# Altium PCB WX0.000.863拼板.PcbDoc (part 5 of 15)
Units mm, origin at the board's own origin, x right, y up, seen from the top; angles counter-clockwise.
Board outline 150.37 x 286.89 mm, 2 copper layers (Top Layer, Bottom Layer); 840 components, 0 nets, 2516 pads, 1604 vias.
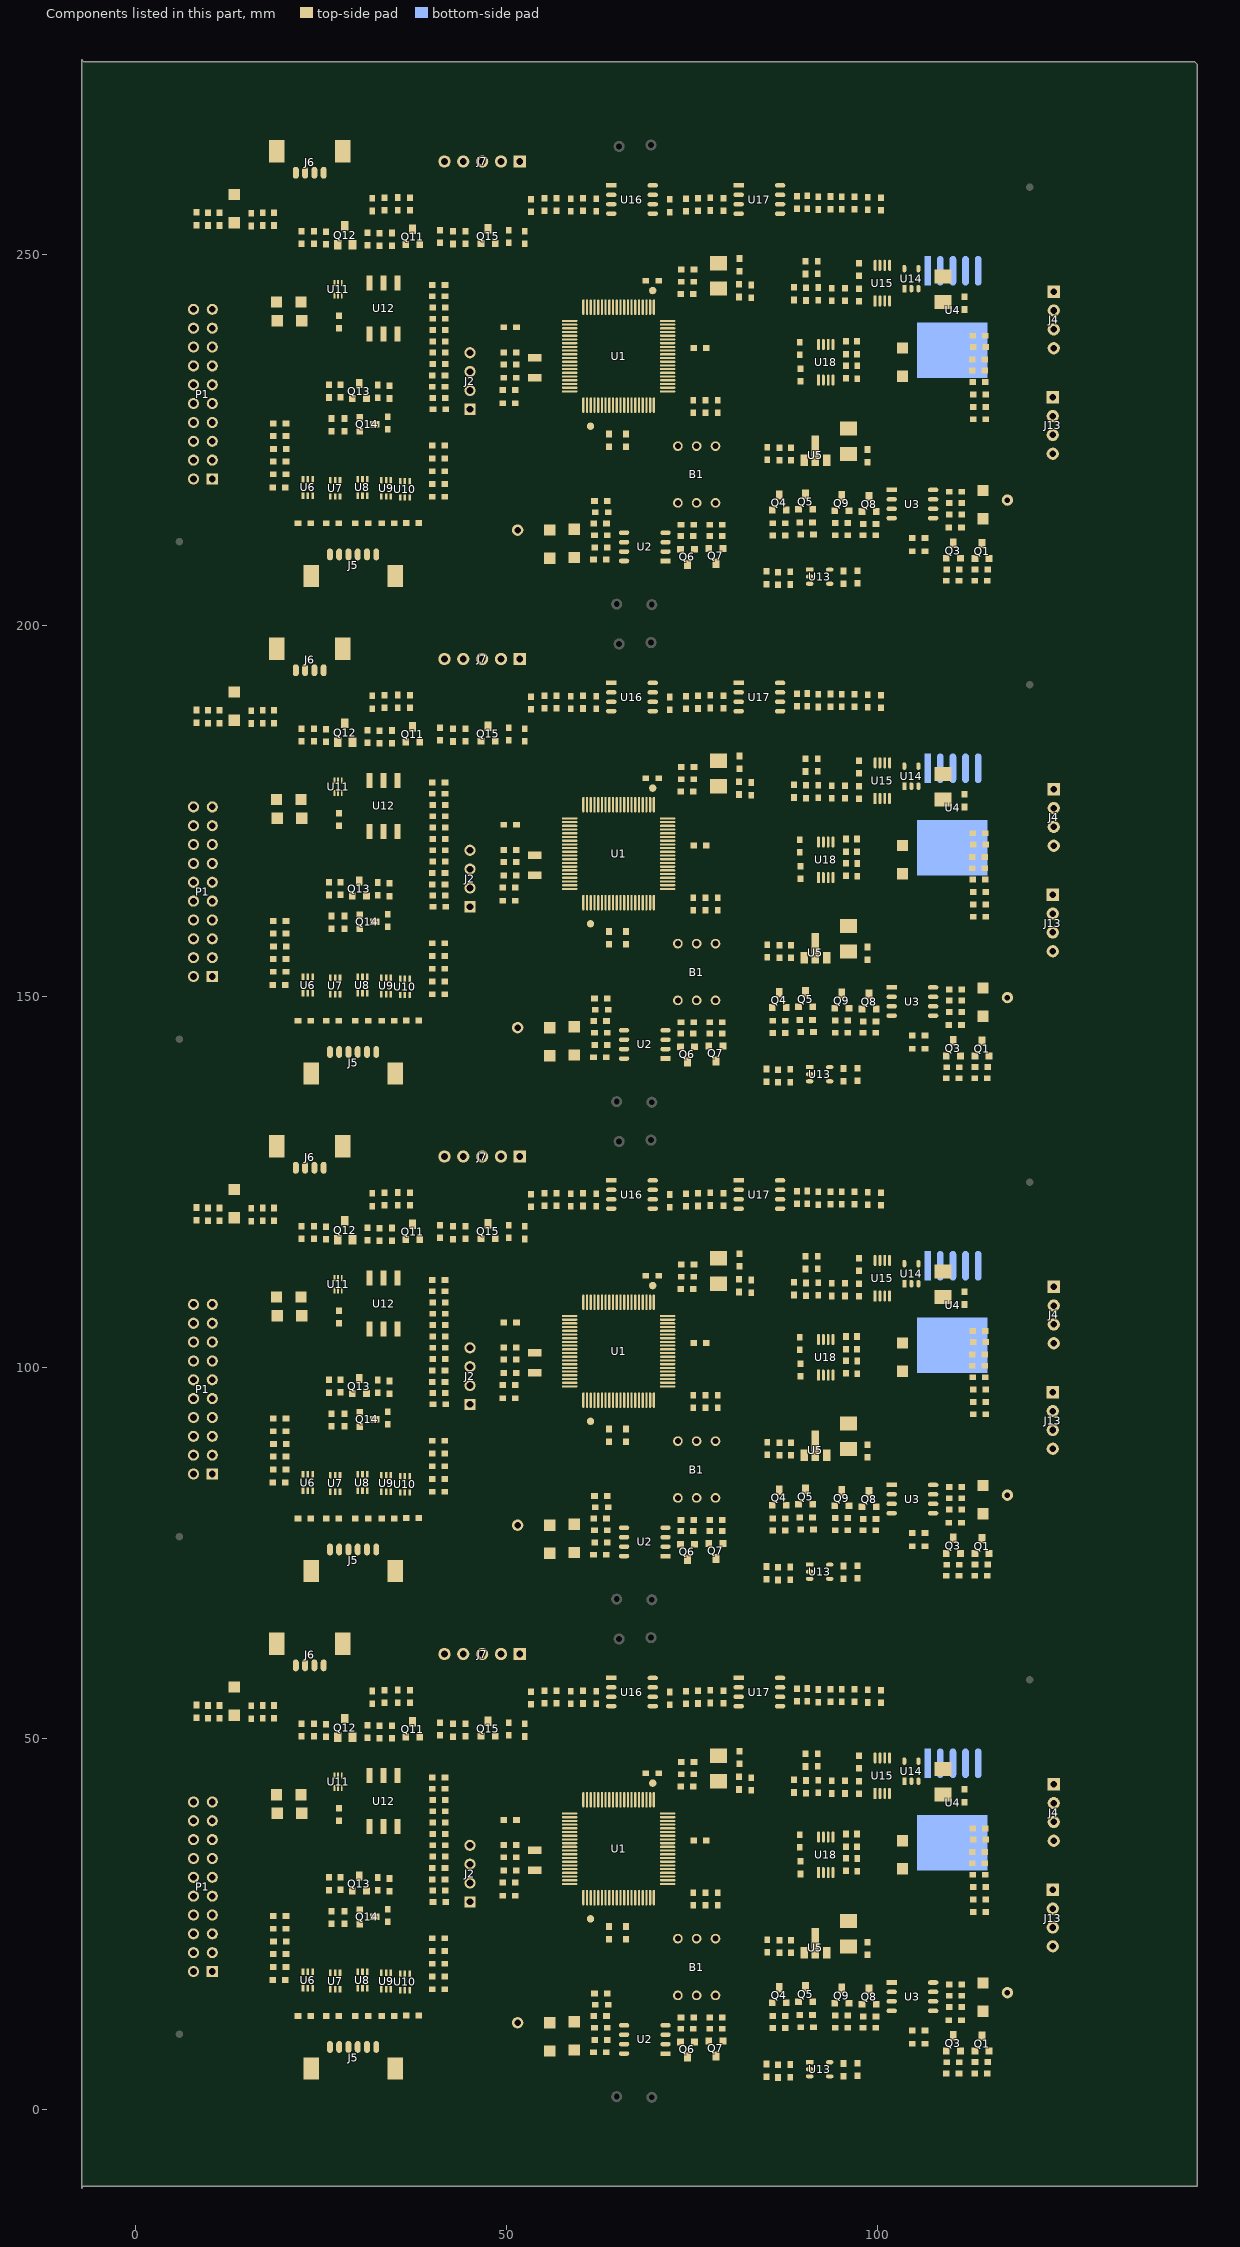
[diagram p5: the components of this part, seen from the top]

## Via types
v1: diameter 0.635, hole 0.381, Top Layer to Bottom Layer, tented both sides, 1604 vias

## Nets (pads, with @x,y where several pads share a name; then routed paths per layer and width w, separated by ;. In a path a pad name is that pad's centre, name@x,y a point inside that pad or via, vN(x,y) a via of type N, cw(c..) or ccw(c..) an arc to the next point about the centre after c; other vN are vias at no path point) (continued)
copper on no net: (continued)
  Top Layer w0.203: 42.009,107 cw(c42.508,106.501) 42.508,107.206 cw(c42.508,107.912) 42.009,107.413 ; 42.009,108.526 cw(c42.508,108.028) 42.508,108.733 cw(c42.508,109.438) 42.009,108.939 ; 42.009,163.785 ccw(c42.514,164.289) 42.514,163.576 ; 42.009,171.416 ccw(c42.235,171.642) 42.235,171.323 ; 42.009,172.53 cw(c42.508,172.031) 42.508,172.736 cw(c42.508,173.441) 42.009,172.943 ; 42.009,174.056 cw(c42.508,173.557) 42.508,174.262 cw(c42.508,174.968) 42.009,174.469 ; 42.009,175.582 cw(c42.508,175.084) 42.508,175.789 cw(c42.508,176.494) 42.009,175.995 ; 42.009,230.841 ccw(c42.514,231.345) 42.514,230.632 ; 42.009,238.472 ccw(c42.235,238.698) 42.235,238.379 ; 42.009,239.586 cw(c42.508,239.087) 42.508,239.792 cw(c42.508,240.497) 42.009,239.999 ; 42.009,241.112 cw(c42.508,240.613) 42.508,241.318 cw(c42.508,242.024) 42.009,241.525 ; 42.009,242.638 cw(c42.508,242.14) 42.508,242.845 cw(c42.508,243.55) 42.009,243.051 ; 42.02,36.903 cw(c42.711,36.283) 42.711,37.211 ; 42.02,103.959 cw(c42.711,103.339) 42.711,104.267 ; 42.02,171.015 cw(c42.711,170.395) 42.711,171.323 ; 42.02,238.071 cw(c42.711,237.451) 42.711,238.379 ; 42.095,34.045 cw(c43.533,34.045) 42.516,35.062 ; 42.095,35.572 cw(c42.895,35.572) 42.329,36.137 ; 42.095,101.101 cw(c43.533,101.101) 42.516,102.118 ; 42.095,102.628 cw(c42.895,102.628) 42.329,103.193 ; 42.095,168.157 cw(c43.533,168.157) 42.516,169.174 ; 42.095,169.684 cw(c42.895,169.684) 42.329,170.249 ; 42.095,235.213 cw(c43.533,235.213) 42.516,236.23 ; 42.095,236.74 cw(c42.895,236.74) 42.329,237.305 ; 42.29,50.852 cw(c41.704,50.267) 42.532,50.267 ; 42.29,117.908 cw(c41.704,117.323) 42.532,117.323 ; 42.29,184.964 cw(c41.704,184.379) 42.532,184.379 ; 42.29,252.02 cw(c41.704,251.435) 42.532,251.435 ; 42.412,50.729 ccw(c42.824,51.141) 42.824,50.559 ; 42.412,117.785 ccw(c42.824,118.197) 42.824,117.615 ; 42.412,184.841 ccw(c42.824,185.253) 42.824,184.671 ; 42.412,251.897 ccw(c42.824,252.309) 42.824,251.727 ; v1(42.901,22.327) 43.104,22.327 43.52,22.743 ; v1(42.901,89.383) 43.104,89.383 43.52,89.799 ; v1(42.901,156.439) 43.104,156.439 43.52,156.855 ; v1(42.901,223.495) 43.104,223.495 43.52,223.911 ; v1@42.902,22.339 ccw(c42.952,22.726) 43.228,22.45 ; v1@42.902,89.395 ccw(c42.952,89.782) 43.228,89.506 ; v1@42.902,156.451 ccw(c42.952,156.838) 43.228,156.562 ; v1@42.902,223.507 ccw(c42.952,223.894) 43.228,223.618 ; v1@42.928,22.541 ccw(c43.018,23.246) 43.52,22.743 ; v1@42.928,89.597 ccw(c43.018,90.302) 43.52,89.799 ; v1@42.928,156.653 ccw(c43.018,157.358) 43.52,156.855 ; v1@42.928,223.709 ccw(c43.018,224.414) 43.52,223.911 ; 43.031,50.06 cw(c43.499,49.592) 43.499,50.254 ; 43.031,50.473 ccw(c43.56,51.002) 43.56,50.254 ; 43.031,117.116 cw(c43.499,116.648) 43.499,117.31 ; 43.031,117.529 ccw(c43.56,118.058) 43.56,117.31 ; 43.031,184.172 cw(c43.499,183.704) 43.499,184.366 ; 43.031,184.585 ccw(c43.56,185.114) 43.56,184.366 ; 43.031,251.228 cw(c43.499,250.76) 43.499,251.422 ; 43.031,251.641 ccw(c43.56,252.17) 43.56,251.422 ; v1@43.04,30.328 ccw(c42.519,30.328) 42.888,30.696 ccw(c43.256,31.065) 43.256,30.543 ccw(c43.256,31.065) 43.625,30.696 ccw(c43.993,30.328) v1@43.472,30.328 ; v1@43.04,97.384 ccw(c42.519,97.384) 42.888,97.752 ccw(c43.256,98.121) 43.256,97.599 ccw(c43.256,98.121) 43.625,97.752 ccw(c43.993,97.384) v1@43.472,97.384 ; v1@43.04,164.44 ccw(c42.519,164.44) 42.888,164.808 ccw(c43.256,165.177) 43.256,164.655 ccw(c43.256,165.177) 43.625,164.808 ccw(c43.993,164.44) v1@43.472,164.44 ; v1@43.04,231.496 ccw(c42.519,231.496) 42.888,231.864 ccw(c43.256,232.233) 43.256,231.712 ccw(c43.256,232.233) 43.625,231.864 ccw(c43.993,231.496) v1@43.472,231.496 ; 44.269,50.048 ccw(c43.77,49.549) 43.77,50.254 ccw(c43.77,50.959) 44.269,50.461 ; 44.269,117.104 ccw(c43.77,116.605) 43.77,117.31 ccw(c43.77,118.015) 44.269,117.517 ; 44.269,184.16 ccw(c43.77,183.661) 43.77,184.366 ccw(c43.77,185.071) 44.269,184.573 ; 44.269,251.216 ccw(c43.77,250.717) 43.77,251.422 ccw(c43.77,252.127) 44.269,251.629 ; 44.438,30.44 cw(c43.173,30.36) 44.069,29.464 ; 44.438,97.496 cw(c43.173,97.416) 44.069,96.52 ; 44.438,164.552 cw(c43.173,164.472) 44.069,163.576 ; 44.438,231.608 cw(c43.173,231.528) 44.069,230.632 ; 44.535,40.014 cw(c45.006,39.543) v1@45.006,40.209 ; 44.535,107.07 cw(c45.006,106.599) v1@45.006,107.265 ; 44.535,174.126 cw(c45.006,173.655) v1@45.006,174.321 ; 44.535,241.182 cw(c45.006,240.711) v1@45.006,241.377 ; 44.557,23.144 46.101,23.144 ; 44.557,90.2 46.101,90.2 ; 44.557,157.256 46.101,157.256 ; 44.557,224.312 46.101,224.312 ; 44.641,30.452 cw(c43.772,30.398) 44.387,29.782 cw(c45.003,29.167) 45.057,30.036 ; 44.641,97.508 cw(c43.772,97.454) 44.387,96.838 cw(c45.003,96.223) 45.057,97.092 ; 44.641,164.564 cw(c43.772,164.51) 44.387,163.894 cw(c45.003,163.279) 45.057,164.148 ; 44.641,231.62 cw(c43.772,231.566) 44.387,230.95 cw(c45.003,230.335) 45.057,231.204 ; 44.68,40.159 ccw(c44.414,40.425) v1@44.79,40.425 ; 44.68,107.215 ccw(c44.414,107.481) v1@44.79,107.481 ; 44.68,174.271 ccw(c44.414,174.537) v1@44.79,174.537 ; 44.68,241.327 ccw(c44.414,241.593) v1@44.79,241.593 ; 44.682,50.048 cw(c45.181,49.549) 45.181,50.254 cw(c45.181,50.959) 44.682,50.461 ; 44.682,117.104 cw(c45.181,116.605) 45.181,117.31 cw(c45.181,118.015) 44.682,117.517 ; 44.682,184.16 cw(c45.181,183.661) 45.181,184.366 cw(c45.181,185.071) 44.682,184.573 ; 44.682,251.216 cw(c45.181,250.717) 45.181,251.422 cw(c45.181,252.127) 44.682,251.629 ; 45.045,29.833 ccw(c44.965,28.568) 44.069,29.464 ; 45.045,96.889 ccw(c44.965,95.624) 44.069,96.52 ; 45.045,163.945 ccw(c44.965,162.68) 44.069,163.576 ; 45.045,231.001 ccw(c44.965,229.736) 44.069,230.632 ; 45.239,19.609 ccw(c45.239,20.217) v1@45.669,19.787 ; 45.239,86.665 ccw(c45.239,87.273) v1@45.669,86.843 ; 45.239,153.721 ccw(c45.239,154.329) v1@45.669,153.899 ; 45.239,220.777 ccw(c45.239,221.385) v1@45.669,220.955 ; 45.362,19.609 cw(c45.362,19.174) v1@45.669,19.482 ; 45.362,86.665 cw(c45.362,86.23) v1@45.669,86.538 ; 45.362,153.721 cw(c45.362,153.286) v1@45.669,153.594 ; 45.362,220.777 cw(c45.362,220.342) v1@45.669,220.65 ; 45.695,50.254 ccw(c45.695,51.155) 46.332,50.518 ; 45.695,117.31 ccw(c45.695,118.211) 46.332,117.574 ; 45.695,184.366 ccw(c45.695,185.267) 46.332,184.63 ; 45.695,251.422 ccw(c45.695,252.323) 46.332,251.686 ; 45.755,50.254 cw(c45.755,49.438) 46.332,50.015 ; 45.755,117.31 cw(c45.755,116.494) 46.332,117.071 ; 45.755,184.366 cw(c45.755,183.55) 46.332,184.127 ; 45.755,251.422 cw(c45.755,250.606) 46.332,251.183 ; 46.01,22.743 46.863,22.743 ; 46.01,89.799 46.863,89.799 ; 46.01,156.855 46.863,156.855 ; 46.01,223.911 46.863,223.911 ; v1@46.202,37.262 ccw(c45.834,37.631) 46.355,37.631 ccw(c46.876,37.631) v1@46.508,37.262 ; v1@46.202,104.318 ccw(c45.834,104.687) 46.355,104.687 ccw(c46.876,104.687) v1@46.508,104.318 ; v1@46.202,171.374 ccw(c45.834,171.743) 46.355,171.743 ccw(c46.876,171.743) v1@46.508,171.374 ; v1@46.202,238.43 ccw(c45.834,238.799) 46.355,238.799 ccw(c46.876,238.799) v1@46.508,238.43 ; 46.228,35.56 47.727,37.059 ; 46.228,102.616 47.727,104.115 ; 46.228,169.672 47.727,171.171 ; 46.228,236.728 47.727,238.227 ; v1(46.355,37.109) 46.355,38.333 46.827,38.806 46.827,41.504 47.539,42.215 v1(54.813,42.215) 54.813,41.258 56.218,39.853 58.525,39.853 ; v1(46.355,104.165) 46.355,105.389 46.827,105.862 46.827,108.56 47.539,109.271 v1(54.813,109.271) 54.813,108.314 56.218,106.909 58.525,106.909 ; v1(46.355,171.221) 46.355,172.445 46.827,172.918 46.827,175.616 47.539,176.327 v1(54.813,176.327) 54.813,175.37 56.218,173.965 58.525,173.965 ; v1(46.355,238.277) 46.355,239.501 46.827,239.974 46.827,242.672 47.539,243.383 v1(54.813,243.383) 54.813,242.426 56.218,241.021 58.525,241.021 ; 46.37,22.342 46.914,22.342 ; 46.37,89.398 46.914,89.398 ; 46.37,156.454 46.914,156.454 ; 46.37,223.51 46.914,223.51 ; 46.795,21.941 47.6,21.941 ; 46.795,88.997 47.6,88.997 ; 46.795,156.053 47.6,156.053 ; 46.795,223.109 47.6,223.109 ; 46.961,21.539 48.158,21.539 ; 46.961,88.595 48.158,88.595 ; 46.961,155.651 48.158,155.651 ; 46.961,222.707 48.158,222.707 ; v1@46.99,38.075 ccw(c46.413,38.652) 47.229,38.652 ; v1@46.99,105.131 ccw(c46.413,105.708) 47.229,105.708 ; v1@46.99,172.187 ccw(c46.413,172.764) 47.229,172.764 ; v1@46.99,239.243 ccw(c46.413,239.82) 47.229,239.82 ; 47.046,21.057 48.285,21.057 ; 47.046,88.113 48.285,88.113 ; 47.046,155.169 48.285,155.169 ; 47.046,222.225 48.285,222.225 ; v1@47.219,37.846 v1(47.142,37.922) 47.229,38.009 47.229,39.091 47.915,39.776 50.571,39.776 51.359,38.989 51.532,39.162 53.335,39.162 54.817,40.644 ; v1@47.219,104.902 v1(47.142,104.978) 47.229,105.065 47.229,106.147 47.915,106.832 50.571,106.832 51.359,106.045 51.532,106.218 53.335,106.218 54.817,107.7 ; v1@47.219,171.958 v1(47.142,172.034) 47.229,172.121 47.229,173.203 47.915,173.888 50.571,173.888 51.359,173.101 51.532,173.274 53.335,173.274 54.817,174.756 ; v1@47.219,239.014 v1(47.142,239.09) 47.229,239.177 47.229,240.259 47.915,240.944 50.571,240.944 51.359,240.157 51.532,240.33 53.335,240.33 54.817,241.812 ; 47.229,38.235 ccw(c47.455,38.235) v1@47.295,38.075 ; 47.229,105.291 ccw(c47.455,105.291) v1@47.295,105.131 ; 47.229,172.347 ccw(c47.455,172.347) v1@47.295,172.187 ; 47.229,239.403 ccw(c47.455,239.403) v1@47.295,239.243 ; v1@47.371,41.021 ccw(c46.941,41.451) 47.549,41.451 ; v1@47.371,108.077 ccw(c46.941,108.507) 47.549,108.507 ; v1@47.371,175.133 ccw(c46.941,175.563) 47.549,175.563 ; v1@47.371,242.189 ccw(c46.941,242.619) 47.549,242.619 ; v1(47.523,40.869) 47.549,40.843 47.549,41.657 47.705,41.813 52.807,41.813 53.594,41.026 53.594,40.335 v1(53.619,40.335) ; 47.523,52.299 48.412,52.299 50.317,50.394 50.94,50.394 ; v1(47.523,107.925) 47.549,107.899 47.549,108.713 47.705,108.869 52.807,108.869 53.594,108.082 53.594,107.391 v1(53.619,107.391) ; 47.523,119.355 48.412,119.355 50.317,117.45 50.94,117.45 ; v1(47.523,174.981) 47.549,174.955 47.549,175.769 47.705,175.925 52.807,175.925 53.594,175.138 53.594,174.447 v1(53.619,174.447) ; 47.523,186.411 48.412,186.411 50.317,184.506 50.94,184.506 ; v1(47.523,242.037) 47.549,242.011 47.549,242.825 47.705,242.981 52.807,242.981 53.594,242.194 53.594,241.503 v1(53.619,241.503) ; 47.523,253.467 48.412,253.467 50.317,251.562 50.94,251.562 ; 47.549,41.329 ccw(c47.983,41.329) v1@47.676,41.021 ; 47.549,108.385 ccw(c47.983,108.385) v1@47.676,108.077 ; 47.549,175.441 ccw(c47.983,175.441) v1@47.676,175.133 ; 47.549,242.497 ccw(c47.983,242.497) v1@47.676,242.189 ; 47.775,52.047 cw(c48.382,51.44) 48.382,52.299 cw(c48.382,53.157) 47.775,52.55 ; 47.775,119.103 cw(c48.382,118.496) 48.382,119.355 cw(c48.382,120.213) 47.775,119.606 ; 47.775,186.159 cw(c48.382,185.552) 48.382,186.411 cw(c48.382,187.269) 47.775,186.662 ; 47.775,253.215 cw(c48.382,252.608) 48.382,253.467 cw(c48.382,254.325) 47.775,253.718 ; v1(48.311,38.049) 48.468,37.892 55.428,37.892 56.286,37.033 ; v1(48.311,105.105) 48.468,104.948 55.428,104.948 56.286,104.089 ; v1(48.311,172.161) 48.468,172.004 55.428,172.004 56.286,171.145 ; v1(48.311,239.217) 48.468,239.06 55.428,239.06 56.286,238.201 ; v1@48.32,38.058 ccw(c48.722,38.46) 48.722,37.892 ; v1@48.32,105.114 ccw(c48.722,105.516) 48.722,104.948 ; v1@48.32,172.17 ccw(c48.722,172.572) 48.722,172.004 ; v1@48.32,239.226 ccw(c48.722,239.628) 48.722,239.06 ; v1@48.463,38.202 ccw(c49.212,38.951) 49.212,37.892 ; v1@48.463,105.258 ccw(c49.212,106.007) 49.212,104.948 ; v1@48.463,172.314 ccw(c49.212,173.063) 49.212,172.004 ; v1@48.463,239.37 ccw(c49.212,240.119) 49.212,239.06 ; 49.631,35.611 51.282,33.96 51.321,33.96 52.243,34.882 53.822,34.882 ; 49.631,102.667 51.282,101.016 51.321,101.016 52.243,101.938 53.822,101.938 ; 49.631,169.723 51.282,168.072 51.321,168.072 52.243,168.994 53.822,168.994 ; 49.631,236.779 51.282,235.128 51.321,235.128 52.243,236.05 53.822,236.05 ; 49.657,38.989 50.353,38.293 56.246,38.293 v1(56.744,37.795) ; 49.657,106.045 50.353,105.349 56.246,105.349 v1(56.744,104.851) ; 49.657,173.101 50.353,172.405 56.246,172.405 v1(56.744,171.907) ; 49.657,240.157 50.353,239.461 56.246,239.461 v1(56.744,238.963) ; 49.682,35.319 cw(c49.682,34.736) 50.094,35.148 ; 49.682,102.375 cw(c49.682,101.792) 50.094,102.204 ; 49.682,169.431 cw(c49.682,168.848) 50.094,169.26 ; 49.682,236.487 cw(c49.682,235.904) 50.094,236.316 ; 49.708,38.697 cw(c49.708,38.114) 50.12,38.526 ; 49.708,105.753 cw(c49.708,105.17) 50.12,105.582 ; 49.708,172.809 cw(c49.708,172.226) 50.12,172.638 ; 49.708,239.865 cw(c49.708,239.282) 50.12,239.694 ; 49.732,50.979 ccw(c50.317,51.564) 50.317,50.736 ; 49.732,118.035 ccw(c50.317,118.62) 50.317,117.792 ; 49.732,185.091 ccw(c50.317,185.676) 50.317,184.849 ; 49.732,252.147 ccw(c50.317,252.732) 50.317,251.904 ; 49.855,50.856 cw(c49.443,50.444) 50.025,50.444 ; 49.855,117.912 cw(c49.443,117.5) 50.025,117.5 ; 49.855,184.968 cw(c49.443,184.556) 50.025,184.556 ; 49.855,252.024 cw(c49.443,251.612) 50.025,251.612 ; 49.974,35.611 ccw(c50.802,35.611) 50.217,35.025 ; 49.974,102.667 ccw(c50.802,102.667) 50.217,102.081 ; 49.974,169.723 ccw(c50.802,169.723) 50.217,169.137 ; 49.974,236.779 ccw(c50.802,236.779) 50.217,236.193 ; 50,38.989 ccw(c50.828,38.989) 50.242,38.404 ; 50,106.045 ccw(c50.828,106.045) 50.242,105.46 ; 50,173.101 ccw(c50.828,173.101) 50.242,172.516 ; 50,240.157 ccw(c50.828,240.157) 50.242,239.572 ; 50.542,50.207 cw(c50.94,49.876) 50.94,50.394 ; 50.542,50.58 ccw(c50.94,50.911) 50.94,50.394 ; 50.542,117.263 cw(c50.94,116.932) 50.94,117.45 ; 50.542,117.636 ccw(c50.94,117.967) 50.94,117.45 ; 50.542,184.319 cw(c50.94,183.988) 50.94,184.506 ; 50.542,184.692 ccw(c50.94,185.023) 50.94,184.506 ; 50.542,251.375 cw(c50.94,251.044) 50.94,251.562 ; 50.542,251.748 ccw(c50.94,252.079) 50.94,251.562 ; 50.762,34.48 cw(c50.242,33.96) 50.978,33.96 ; 50.762,101.536 cw(c50.242,101.016) 50.978,101.016 ; 50.762,168.592 cw(c50.242,168.072) 50.978,168.072 ; 50.762,235.648 cw(c50.242,235.128) 50.978,235.128 ; 50.773,39.574 cw(c50.188,38.989) 51.016,38.989 ; 50.773,106.63 cw(c50.188,106.045) 51.016,106.045 ; 50.773,173.686 cw(c50.188,173.101) 51.016,173.101 ; 50.773,240.742 cw(c50.188,240.157) 51.016,240.157 ; 50.792,34.45 ccw(c51.27,34.927) 51.27,34.252 ; 50.792,101.506 ccw(c51.27,101.983) 51.27,101.308 ; 50.792,168.562 ccw(c51.27,169.039) 51.27,168.364 ; 50.792,235.618 ccw(c51.27,236.095) 51.27,235.42 ; 50.896,39.452 ccw(c51.308,39.864) 51.308,39.281 ; 50.896,106.508 ccw(c51.308,106.92) 51.308,106.337 ; 50.896,173.564 ccw(c51.308,173.976) 51.308,173.393 ; 50.896,240.62 ccw(c51.308,241.032) 51.308,240.449 ; 51.303,35.692 cw(c52.028,34.967) 52.028,35.992 ; 51.303,102.748 cw(c52.028,102.023) 52.028,103.048 ; 51.303,169.804 cw(c52.028,169.079) 52.028,170.104 ; 51.303,236.86 cw(c52.028,236.135) 52.028,237.16 ; 51.321,32.182 53.822,32.182 55.041,32.182 ; 51.321,99.238 53.822,99.238 55.041,99.238 ; 51.321,166.294 53.822,166.294 55.041,166.294 ; 51.321,233.35 53.822,233.35 55.041,233.35 ; 51.371,34.252 ccw(c51.371,34.834) 51.783,34.423 ; 51.371,101.308 ccw(c51.371,101.89) 51.783,101.479 ; 51.371,168.364 ccw(c51.371,168.946) 51.783,168.535 ; 51.371,235.42 ccw(c51.371,236.002) 51.783,235.591 ; 51.404,35.682 51.333,35.611 51.714,35.992 55.092,35.992 56.231,34.853 58.525,34.853 ; 51.404,102.738 51.333,102.667 51.714,103.048 55.092,103.048 56.231,101.909 58.525,101.909 ; 51.404,169.794 51.333,169.723 51.714,170.104 55.092,170.104 56.231,168.965 58.525,168.965 ; 51.404,236.85 51.333,236.779 51.714,237.16 55.092,237.16 56.231,236.021 58.525,236.021 ; 51.447,35.548 cw(c52.518,34.476) 52.518,35.992 ; 51.447,102.604 cw(c52.518,101.532) 52.518,103.048 ; 51.447,169.66 cw(c52.518,168.588) 52.518,170.104 ; 51.447,236.716 cw(c52.518,235.644) 52.518,237.16 ; 51.472,38.926 cw(c52.041,38.357) 52.041,39.162 ; 51.472,105.982 cw(c52.041,105.413) 52.041,106.218 ; 51.472,173.038 cw(c52.041,172.469) 52.041,173.274 ; 51.472,240.094 cw(c52.041,239.525) 52.041,240.33 ; 51.578,31.975 cw(c52.077,31.477) 52.077,32.182 cw(c52.077,32.887) 51.578,32.388 ; 51.578,99.031 cw(c52.077,98.533) 52.077,99.238 cw(c52.077,99.943) 51.578,99.444 ; 51.578,166.087 cw(c52.077,165.589) 52.077,166.294 cw(c52.077,166.999) 51.578,166.5 ; 51.578,233.143 cw(c52.077,232.645) 52.077,233.35 cw(c52.077,234.055) 51.578,233.556 ; 51.59,35.404 cw(c53.009,33.986) 53.009,35.992 ; 51.59,102.46 cw(c53.009,101.042) 53.009,103.048 ; 51.59,169.516 cw(c53.009,168.098) 53.009,170.104 ; 51.59,236.572 cw(c53.009,235.154) 53.009,237.16 ; 51.616,38.782 cw(c52.532,37.867) 52.532,39.162 ; 51.616,105.838 cw(c52.532,104.923) 52.532,106.218 ; 51.616,172.894 cw(c52.532,171.979) 52.532,173.274 ; 51.616,239.95 cw(c52.532,239.035) 52.532,240.33 ; 51.663,33.96 cw(c52.491,33.96) 51.906,34.545 ; 51.663,101.016 cw(c52.491,101.016) 51.906,101.601 ; 51.663,168.072 cw(c52.491,168.072) 51.906,168.657 ; 51.663,235.128 cw(c52.491,235.128) 51.906,235.713 ; 51.891,51.345 cw(c52.476,50.759) 52.476,51.587 ; 51.891,118.401 cw(c52.476,117.815) 52.476,118.643 ; 51.891,185.457 cw(c52.476,184.871) 52.476,185.699 ; 51.891,252.513 cw(c52.476,251.927) 52.476,252.755 ; 52.014,51.467 ccw(c51.602,51.879) 52.184,51.879 ; 52.014,118.523 ccw(c51.602,118.935) 52.184,118.935 ; 52.014,185.579 ccw(c51.602,185.991) 52.184,185.991 ; 52.014,252.635 ccw(c51.602,253.047) 52.184,253.047 ; 52.683,51.724 cw(c53.182,51.225) 53.182,51.93 cw(c53.182,52.635) 52.683,52.137 ; 52.683,118.78 cw(c53.182,118.281) 53.182,118.986 cw(c53.182,119.691) 52.683,119.193 ; 52.683,185.836 cw(c53.182,185.337) 53.182,186.042 cw(c53.182,186.747) 52.683,186.249 ; 52.683,252.892 cw(c53.182,252.393) 53.182,253.098 cw(c53.182,253.803) 52.683,253.305 ; 53.14,31.9 ccw(c52.46,31.22) 52.46,32.182 ccw(c52.46,33.144) 53.14,32.464 ; 53.14,34.6 ccw(c52.46,33.92) 52.46,34.882 ccw(c52.46,35.844) 53.14,35.164 ; 53.14,98.956 ccw(c52.46,98.276) 52.46,99.238 ccw(c52.46,100.2) 53.14,99.52 ; 53.14,101.656 ccw(c52.46,100.976) 52.46,101.938 ccw(c52.46,102.9) 53.14,102.22 ; 53.14,166.012 ccw(c52.46,165.332) 52.46,166.294 ccw(c52.46,167.256) 53.14,166.576 ; 53.14,168.712 ccw(c52.46,168.032) 52.46,168.994 ccw(c52.46,169.956) 53.14,169.276 ; 53.14,233.068 ccw(c52.46,232.388) 52.46,233.35 ccw(c52.46,234.312) 53.14,233.632 ; 53.14,235.768 ccw(c52.46,235.088) 52.46,236.05 ccw(c52.46,237.012) 53.14,236.332 ; v1(53.238,45.898) 53.238,45.872 53.213,45.847 53.401,45.659 55.231,45.659 55.805,46.233 71.039,46.233 71.501,45.771 71.501,42.469 73.119,40.851 75.31,40.851 76.219,39.941 83.937,39.941 84.244,39.634 108.661,39.634 108.951,39.345 108.951,36.396 109.827,35.519 111.496,35.519 112.032,34.983 112.032,34.153 112.776,33.409 112.776,33.147 112.751,33.147 ; v1(53.238,112.954) 53.238,112.928 53.213,112.903 53.401,112.715 55.231,112.715 55.805,113.289 71.039,113.289 71.501,112.827 71.501,109.525 73.119,107.907 75.31,107.907 76.219,106.998 83.937,106.998 84.244,106.69 108.661,106.69 108.951,106.401 108.951,103.452 109.827,102.575 111.496,102.575 112.032,102.039 112.032,101.209 112.776,100.465 112.776,100.203 112.751,100.203 ; v1(53.238,180.01) 53.238,179.984 53.213,179.959 53.401,179.771 55.231,179.771 55.805,180.345 71.039,180.345 71.501,179.883 71.501,176.581 73.119,174.963 75.31,174.963 76.219,174.053 83.937,174.053 84.244,173.746 108.661,173.746 108.951,173.457 108.951,170.508 109.827,169.631 111.496,169.631 112.032,169.095 112.032,168.265 112.776,167.521 112.776,167.259 112.751,167.259 ; v1(53.238,247.066) 53.238,247.04 53.213,247.015 53.401,246.827 55.231,246.827 55.805,247.401 71.039,247.401 71.501,246.939 71.501,243.637 73.119,242.019 75.31,242.019 76.219,241.109 83.937,241.109 84.244,240.802 108.661,240.802 108.951,240.513 108.951,237.564 109.827,236.687 111.496,236.687 112.032,236.151 112.032,235.321 112.776,234.577 112.776,234.315 112.751,234.315 ; v1@53.467,40.488 ccw(c53.159,40.795) 53.594,40.795 ; v1@53.467,107.544 ccw(c53.159,107.851) 53.594,107.851 ; v1@53.467,174.6 ccw(c53.159,174.907) 53.594,174.907 ; v1@53.467,241.656 ccw(c53.159,241.963) 53.594,241.963 ; 53.594,40.918 ccw(c54.202,40.918) v1@53.772,40.488 ; 53.594,107.974 ccw(c54.202,107.974) v1@53.772,107.544 ; 53.594,175.03 ccw(c54.202,175.03) v1@53.772,174.6 ; 53.594,242.086 ccw(c54.202,242.086) v1@53.772,241.656 ; v1@53.911,41.376 cw(c53.911,40.855) 54.28,41.224 cw(c54.648,41.592) 